# Altium PCB ISS_PCB.PcbDoc (part 3 of 4) (continued)
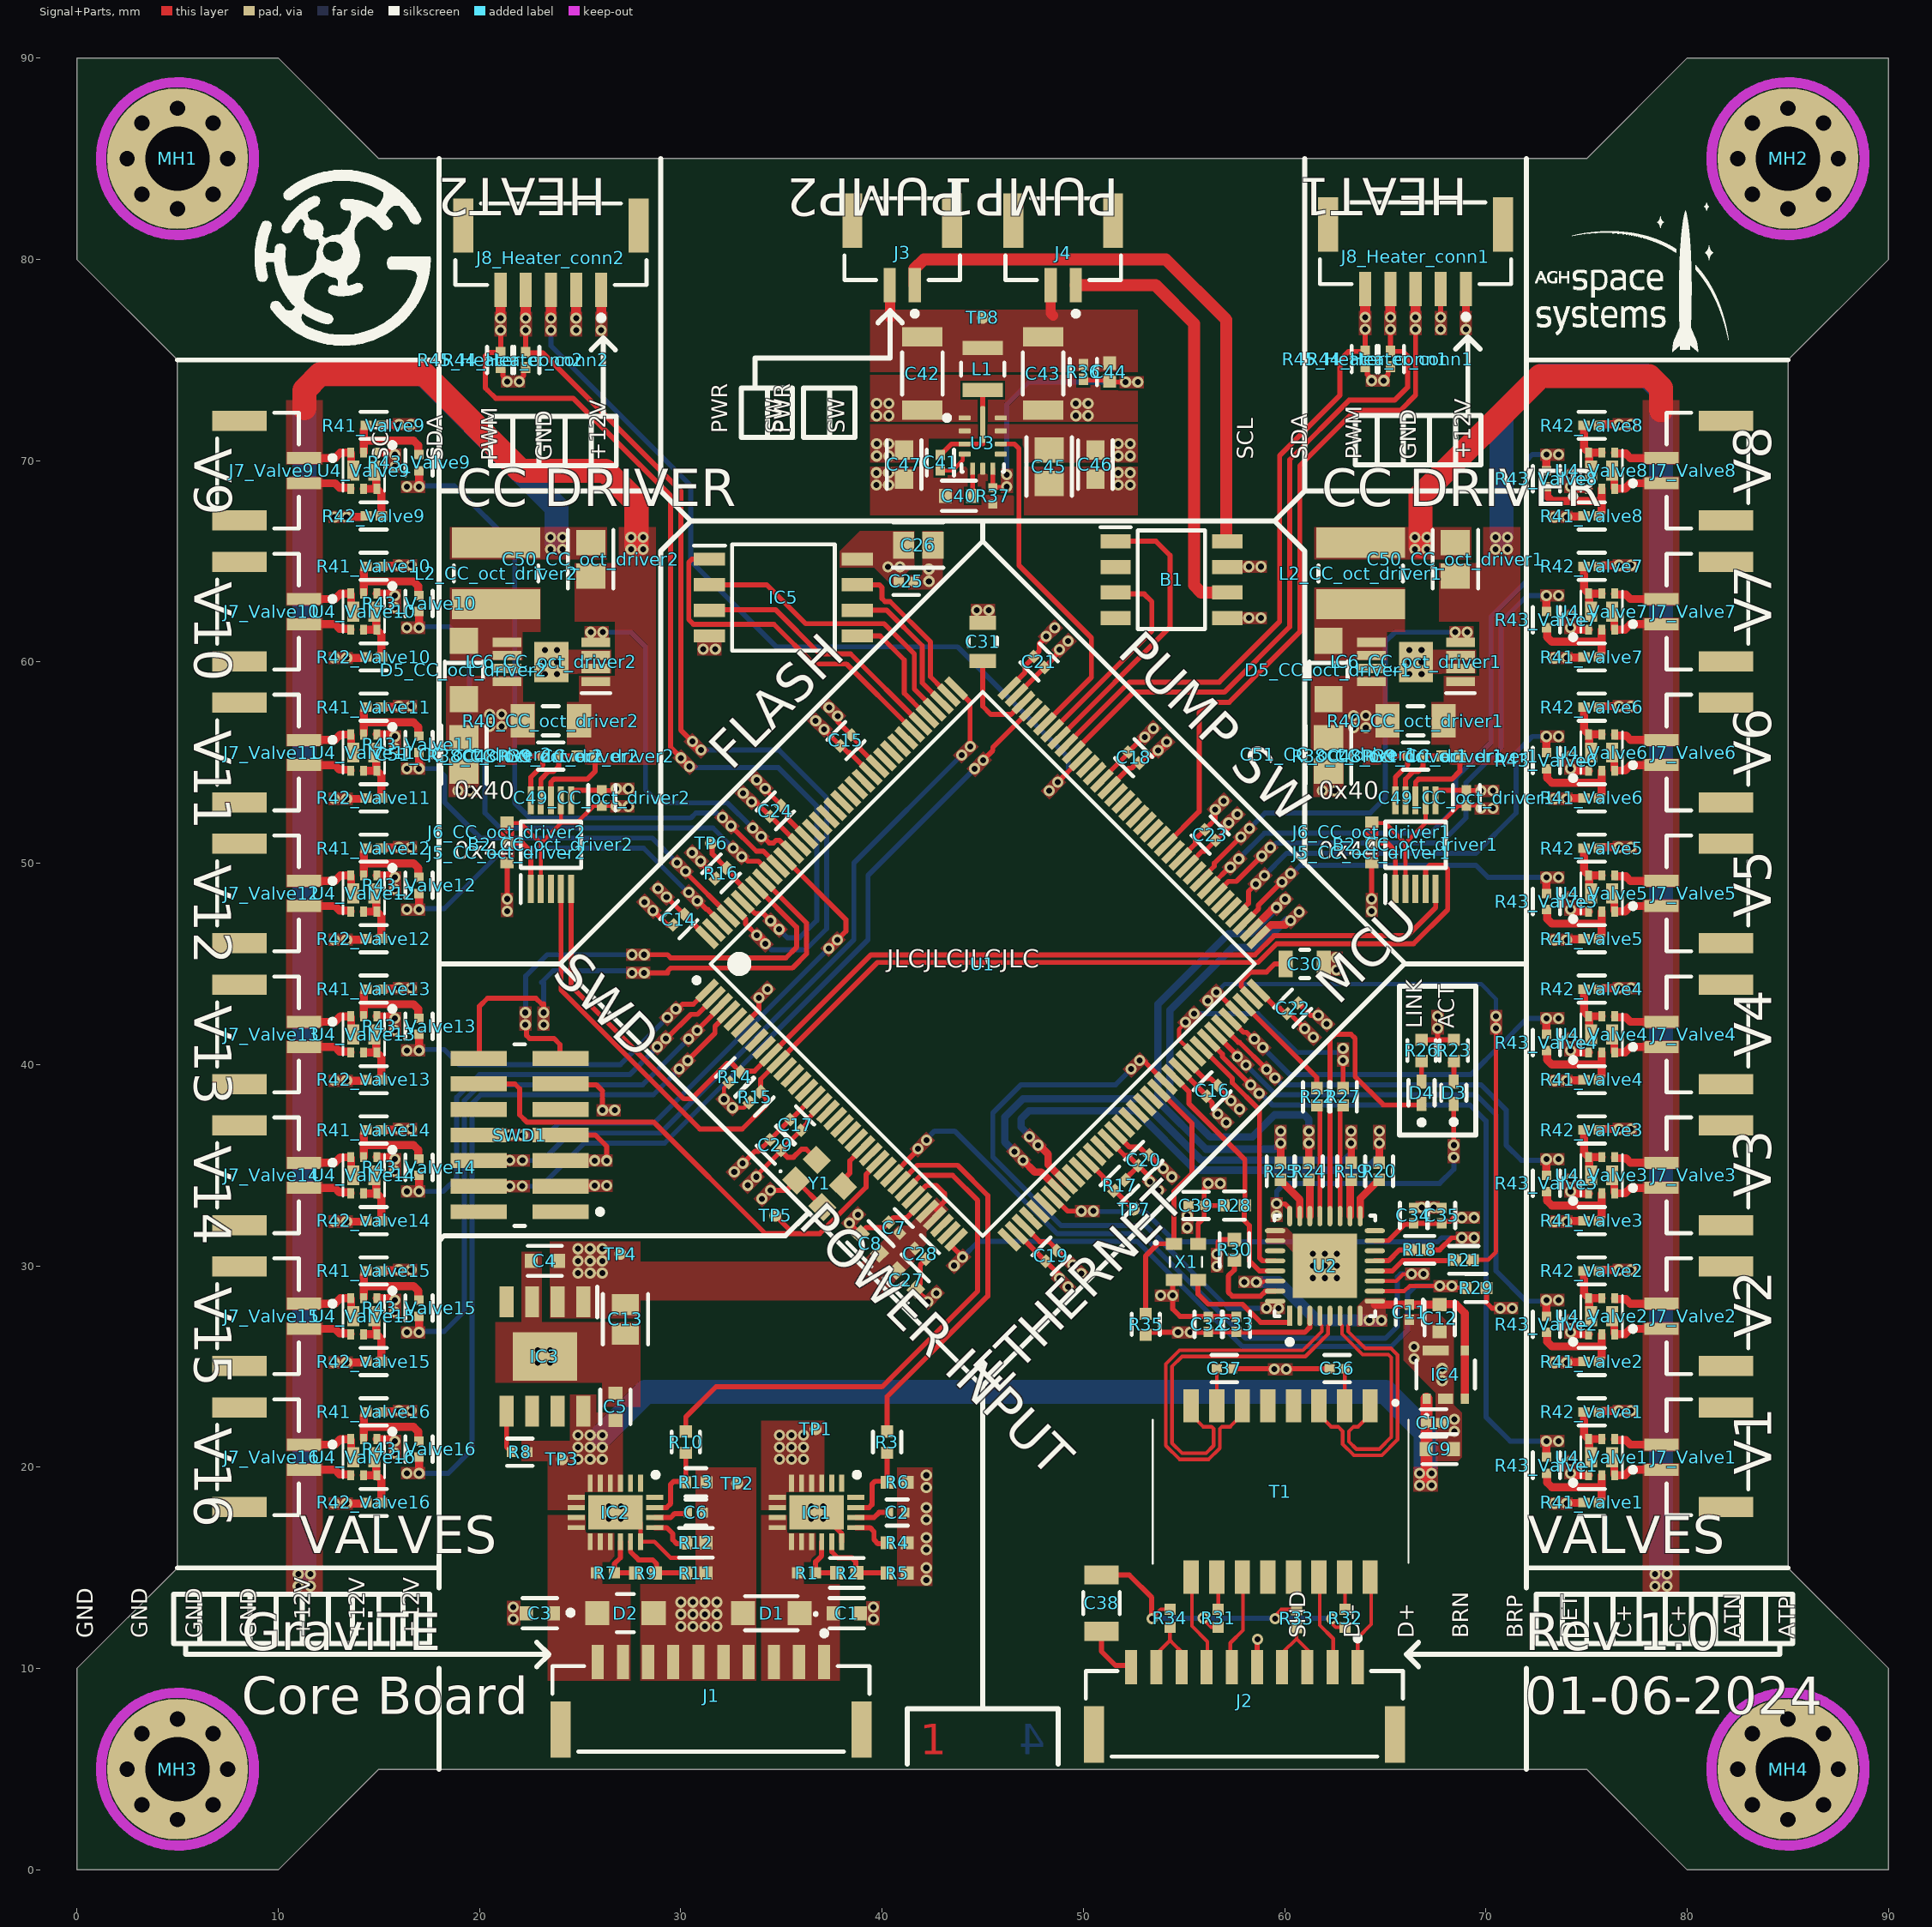
[diagram p0: Signal+Parts view]
## Nets (pads, with @x,y where several pads share a name; then routed paths per layer and width w, separated by ;. In a path a pad name is that pad's centre, name@x,y a point inside that pad or via, vN(x,y) a via of type N, cw(c..) or ccw(c..) an arc to the next point about the centre after c; other vN are vias at no path point) (continued)
ValveDrain10: J7_Valve9.2 J7_Valve10.1 U4_Valve9.4 U4_Valve10.3 U4_Valve10.8 | length 5.8
  Signal+Parts w0.4: J7_Valve10.1@11.275,63.125 12.825,63.125 13.096,63.396 13.596,63.396 U4_Valve10.3@13.6,63.4 ; J7_Valve9.2@11.275,68.875 12.825,68.875 13.05,68.65 13.575,68.65 13.6,68.625 U4_Valve9.4@13.6,68.6 ; U4_Valve10.3@13.625,63.35 13.625,62.6 U4_Valve10.8@13.725,62.5
ValveDrain11: J7_Valve10.2 J7_Valve11.1 U4_Valve10.4 U4_Valve11.3 U4_Valve11.8 | length 5.8
  Signal+Parts w0.4: J7_Valve11.1@11.275,56.125 12.825,56.125 13.096,56.396 13.596,56.396 U4_Valve11.3@13.6,56.4 ; J7_Valve10.2@11.275,61.875 12.825,61.875 13.05,61.65 13.575,61.65 13.6,61.625 U4_Valve10.4@13.6,61.6 ; U4_Valve11.3@13.625,56.35 13.625,55.6 U4_Valve11.8@13.725,55.5
ValveDrain12: J7_Valve11.2 J7_Valve12.1 U4_Valve11.4 U4_Valve12.3 U4_Valve12.8 | length 5.8
  Signal+Parts w0.4: J7_Valve12.1@11.275,49.125 12.825,49.125 13.096,49.396 13.596,49.396 U4_Valve12.3@13.6,49.4 ; J7_Valve11.2@11.275,54.875 12.825,54.875 13.05,54.65 13.575,54.65 13.6,54.625 U4_Valve11.4@13.6,54.6 ; U4_Valve12.3@13.625,49.35 13.625,48.6 U4_Valve12.8@13.725,48.5
ValveDrain13: J7_Valve12.2 J7_Valve13.1 U4_Valve12.4 U4_Valve13.3 U4_Valve13.8 | length 5.8
  Signal+Parts w0.4: J7_Valve13.1@11.275,42.125 12.825,42.125 13.096,42.396 13.596,42.396 U4_Valve13.3@13.6,42.4 ; J7_Valve12.2@11.275,47.875 12.825,47.875 13.05,47.65 13.575,47.65 13.6,47.625 U4_Valve12.4@13.6,47.6 ; U4_Valve13.3@13.625,42.35 13.625,41.6 U4_Valve13.8@13.725,41.5
ValveDrain14: J7_Valve13.2 J7_Valve14.1 U4_Valve13.4 U4_Valve14.3 U4_Valve14.8 | length 5.8
  Signal+Parts w0.4: J7_Valve14.1@11.275,35.125 12.825,35.125 13.096,35.396 13.596,35.396 U4_Valve14.3@13.6,35.4 ; J7_Valve13.2@11.275,40.875 12.825,40.875 13.05,40.65 13.575,40.65 13.6,40.625 U4_Valve13.4@13.6,40.6 ; U4_Valve14.3@13.625,35.35 13.625,34.6 U4_Valve14.8@13.725,34.5
ValveDrain15: J7_Valve14.2 J7_Valve15.1 U4_Valve14.4 U4_Valve15.3 U4_Valve15.8 | length 5.8
  Signal+Parts w0.4: J7_Valve15.1@11.275,28.125 12.825,28.125 13.096,28.396 13.596,28.396 U4_Valve15.3@13.6,28.4 ; J7_Valve14.2@11.275,33.875 12.825,33.875 13.05,33.65 13.575,33.65 13.6,33.625 U4_Valve14.4@13.6,33.6 ; U4_Valve15.3@13.625,28.35 13.625,27.6 U4_Valve15.8@13.725,27.5
ValveDrain16: J7_Valve15.2 J7_Valve16.1 U4_Valve15.4 U4_Valve16.3 U4_Valve16.8 | length 5.8
  Signal+Parts w0.4: J7_Valve16.1@11.275,21.125 12.825,21.125 13.096,21.396 13.596,21.396 U4_Valve16.3@13.6,21.4 ; J7_Valve15.2@11.275,26.875 12.825,26.875 13.05,26.65 13.575,26.65 13.6,26.625 U4_Valve15.4@13.6,26.6 ; U4_Valve16.3@13.625,21.35 13.625,20.6 U4_Valve16.8@13.725,20.5
ValveGate1: R43_Valve1.1 U1.65 | length 33.8
  Signal+Parts w0.25: U1.65@56.225,41.199 56.9,40.525 56.9,40.4 v1@58.2,39.1 ; R43_Valve1.1@73.075,20.527 R43_Valve1.1@73.1,20.502
  Signal+Parts w0.4: R43_Valve1.1@73,20.502 v1(73,21.3)
  Signal w0.25: v1(58.729,38.571) 58.813,38.571 59.384,38 69.2,38 70,37.2 70,22.5 71.2,21.3 72.95,21.3 v1@73,21.25
  other v1: 73.6,21.3 58.305,38.995
ValveGate2: R43_Valve2.1 U1.66 | length 26.6
  Signal+Parts w0.25: U1.66@56.579,41.553 56.579,41.516 57.595,40.5 v1@57.6,40.5 ; R43_Valve2.1@73.075,27.527 R43_Valve2.1@73.1,27.502
  Signal+Parts w0.4: R43_Valve2.1@73,27.502 v1(73,28.3)
  Signal w0.25: v1(58.083,39.976) 59.559,38.5 69.5,38.5 70.5,37.5 70.5,29.75 72,28.25 v1@73,28.25
  other v1: 73.6,28.3 57.659,40.4
ValveGate3: R43_Valve3.1 U1.67 | length 19.8
  Signal+Parts w0.25: U1.67@57.2,41.7 57.2,41.6 57.7,41.1 57.759,41.1 v1(59.093,39.766) ; R43_Valve3.1@73.075,34.527 R43_Valve3.1@73.1,34.502
  Signal+Parts w0.4: R43_Valve3.1@73,34.502 v1(73,35.3)
  Signal w0.25: v1(59.517,39.341) 59.859,39 69.75,39 71,37.75 71,36 71.75,35.25 v1@73,35.25
  other v1: 73.6,35.3
ValveGate4: R43_Valve4.1 U1.68 | length 18.3
  Signal+Parts w0.25: U1.68@57.286,42.26 57.946,41.6 58.1,41.6 58.362,41.338 58.438,41.338 v1@58.5,41.4 ; R43_Valve4.1@73.075,41.527 R43_Valve4.1@73.1,41.502
  Signal+Parts w0.4: R43_Valve4.1@73,41.502 v1(73,42.3)
  Signal w0.25: v1(58.917,40.841) 60.259,39.5 69.25,39.5 70.75,41 72.05,42.3 72.95,42.3 v1@73,42.25
  other v1: 58.493,41.266 73.6,42.3
ValveGate5: R43_Valve5.1 U1.75 | length 16.7
  Signal+Parts w0.25: U1.75@58.063,47.033 U1.75@57.993,47.033 58.7,47.74 58.7,47.923 v1@59.789,49.011 ; R43_Valve5.1@73.075,48.527 R43_Valve5.1@73.1,48.502
  Signal+Parts w0.4: R43_Valve5.1@73,48.502 v1(73,49.3)
  Signal w0.25: v1(60.295,49.495) 60.379,49.495 60.784,49.9 69.5,49.9 70.1,49.3 v1(73,49.3)
  other v1: 59.871,49.071 73.6,49.3
ValveGate6: R43_Valve6.1 U1.76 | length 21.5
  Signal+Parts w0.25: U1.76@57.64,47.386 57.64,47.448 58.2,48.009 58.2,48.6 58.5,48.9 v1@58.6,48.9 ; R43_Valve6.1@73.075,55.527 R43_Valve6.1@73.1,55.502
  Signal+Parts w0.4: R43_Valve6.1@73,55.502 v1(73,56.3)
  Signal w0.25: v1@58.937,49.337 60.1,50.5 69.5,50.5 71.5,52.5 71.5,55.5 72.3,56.3 72.95,56.3 v1@73,56.25
  other v1: 58.571,48.971 58.995,49.395 73.6,56.3
ValveGate7: R43_Valve7.1 U1.79 | length 27.2
  Signal+Parts w0.25: U1.79@56.8,48.7 56.801,48.7 57.201,49.1 57.6,49.1 v1(58.859,50.359) ; R43_Valve7.1@73.075,62.527 R43_Valve7.1@73.1,62.502
  Signal+Parts w0.4: R43_Valve7.1@73,62.502 v1(73,63.3)
  Signal w0.25: v1(59.283,50.783) 59.367,50.783 59.584,51 67.75,51 69,52.25 69,54 70.75,55.75 70.75,62 72.05,63.3 72.95,63.3 v1@73,63.25
  other v1: 73.6,63.3
ValveGate8: R43_Valve8.1 U1.80 | length 33.7
  Signal+Parts w0.25: U1.80@56.4,49 56.462,49 57.262,49.8 v1(57.3,49.8) ; R43_Valve8.1@73.075,69.527 R43_Valve8.1@73.1,69.502
  Signal+Parts w0.4: R43_Valve8.1@73,69.502 v1(73,70.3)
  Signal w0.25: v1(57.724,50.224) 59,51.5 67.25,51.5 68.5,52.75 68.5,54.25 70.25,56 70.25,62.25 72,64 72,70 72.3,70.3 v1(73,70.3)
  other v1: 73.6,70.3
ValveGate9: R43_Valve9.1 U1.134 | length 33.5
  Signal+Parts w0.25: R43_Valve9.1@16.9,69.498 R43_Valve9.1@16.925,69.473 ; v1(32.5,51.85) 33.75,50.6 34.1,50.6 U1.134@34.8,49.9
  Signal+Parts w0.4: v1(17,68.7) R43_Valve9.1@17,69.498
  Signal w0.25: v1@17,68.75 18.75,68.75 21.75,65.75 21.75,53 22.5,52.25 30.5,52.25 30.75,52.5 31.774,52.5 32,52.274 v1(32.076,52.274)
  other v1: 16.4,68.7
ValveGate10: R43_Valve10.1 U1.135 | length 27
  Signal+Parts w0.25: R43_Valve10.1@16.9,62.498 R43_Valve10.1@16.925,62.473 ; v1(33.024,50.326) 33.108,50.326 33.334,50.1 33.859,50.1 34.359,49.6 U1.135@34.4,49.6
  Signal+Parts w0.4: v1(17,61.7) R43_Valve10.1@17,62.498
  Signal w0.25: v1@17,61.75 18.5,61.75 19.25,61 19.5,60.75 19.5,55.75 20.277,54.973 20.277,52.5 21.027,51.75 31.6,51.75 v1(32.6,50.75)
  other v1: 16.4,61.7
ValveGate11: R43_Valve11.1 U1.141 | length 19.4
  Signal+Parts w0.25: R43_Valve11.1@16.9,55.498 R43_Valve11.1@16.925,55.473 ; v1@30.3,49.6 30.3,49.494 32.36,47.433 U1.141@32.36,47.386
  Signal+Parts w0.4: v1(17,54.7) R43_Valve11.1@17,55.498
  Signal w0.25: v1@17,54.75 17.05,54.7 17.9,54.7 18.277,54.323 18.277,53.023 20.05,51.25 28.591,51.25 v1(29.817,50.024)
  other v1: 30.237,49.603 16.4,54.7
ValveGate12: R43_Valve12.1 U1.142 | length 18.4
  Signal+Parts w0.25: R43_Valve12.1@16.9,48.498 R43_Valve12.1@16.925,48.473 ; v1@30.9,48.1 31.3,47.7 31.34,47.7 U1.142@32.007,47.033
  Signal+Parts w0.4: v1(17,47.7) R43_Valve12.1@17,48.498
  Signal w0.25: v1@17,47.75 18.25,47.75 21.25,50.75 28.15,50.75 v1@30.684,48.216
  other v1: 16.4,47.7 30.824,48.126 30.4,48.55
ValveGate13: R43_Valve13.1 U1.1 | length 16.4
  Signal+Parts w0.25: R43_Valve13.1@16.9,41.498 R43_Valve13.1@16.925,41.473 ; v1(29.759,42.759) 29.842,42.759 30.084,43 30.626,43 U1.1@31.3,43.674
  Signal+Parts w0.4: v1(17,40.7) R43_Valve13.1@17,41.498
  Signal w0.25: v1@17,40.75 18.25,40.75 19,40 27,40 v1(29.334,42.334)
  other v1: 16.4,40.7
ValveGate14: R43_Valve14.1 U1.2 | length 21.2
  Signal+Parts w0.25: R43_Valve14.1@16.9,34.498 R43_Valve14.1@16.925,34.473 ; v1@29.3,41.3 30.5,42.5 30.833,42.5 U1.2@31.653,43.321
  Signal+Parts w0.4: v1(17,33.7) R43_Valve14.1@17,34.498
  Signal w0.25: v1@17,33.75 17.05,33.7 18.2,33.7 18.873,34.373 18.873,38.373 20,39.5 27.459,39.5 v1(28.834,40.876)
  other v1: 16.4,33.7 29.259,41.3
ValveGate15: R43_Valve15.1 U1.3 | length 28.1
  Signal+Parts w0.25: R43_Valve15.1@16.9,27.498 R43_Valve15.1@16.925,27.473 ; v1(30.809,41.7) 32.007,42.898 U1.3@32.007,42.967
  Signal+Parts w0.4: v1(17,26.7) R43_Valve15.1@17,27.498
  Signal w0.25: v1@17,26.75 18.25,26.75 19.25,27.75 19.25,38.217 20.033,39 28.109,39 v1(30.384,41.276)
  other v1: 16.4,26.7
ValveGate16: R43_Valve16.1 U1.4 | length 35.4
  Signal+Parts w0.25: R43_Valve16.1@16.9,20.498 R43_Valve16.1@16.925,20.473 ; v1(30.341,40.2) 31.7,41.559 31.7,41.9 32.3,42.5 U1.4@32.3,42.6
  Signal+Parts w0.4: v1(17,19.7) R43_Valve16.1@17,20.498
  Signal w0.25: v1@17,19.75 17.05,19.7 18.45,19.7 19.627,20.877 19.627,38.061 20.066,38.5 28.641,38.5 v1(29.917,39.776)
  other v1: 16.4,19.7
pads on no net: B1.2 B1.4 B2_CC_oct_driver1.3 B2_CC_oct_driver2.3 IC1.1 IC1.2 IC1.20 IC2.1 IC2.2 IC2.20 IC3.4 IC3.6 IC3.7 IC6_CC_oct_driver1.7 IC6_CC_oct_driver2.7 J1.11 J1.12 J2.11 J2.12 J3.3 J3.4 J4.3 J4.4 J7_Valve1.3 J7_Valve1.4 J7_Valve2.3 J7_Valve2.4 J7_Valve3.3 J7_Valve3.4 J7_Valve4.3 J7_Valve4.4 J7_Valve5.3 J7_Valve5.4 J7_Valve6.3 J7_Valve6.4 J7_Valve7.3 J7_Valve7.4 J7_Valve8.3 J7_Valve8.4 J7_Valve9.3 J7_Valve9.4 J7_Valve10.3 J7_Valve10.4 J7_Valve11.3 J7_Valve11.4 J7_Valve12.3 J7_Valve12.4 J7_Valve13.3 J7_Valve13.4 J7_Valve14.3 J7_Valve14.4 J7_Valve15.3 J7_Valve15.4 J7_Valve16.3 J7_Valve16.4 J8_Heater_conn1.6 J8_Heater_conn1.7 J8_Heater_conn2.6 J8_Heater_conn2.7 MH1.1 MH2.1 MH3.1 MH4.1 SWD1.1 SWD1.2 SWD1.9 SWD1.10 T1.4 T1.5 T1.12 T1.13 U1.5 U1.7 U1.8 U1.9 U1.12 U1.13 U1.14 U1.15 U1.18 U1.19 U1.20 U1.21 U1.22 U1.24 U1.26 U1.34 U1.37 U1.40 U1.41 U1.42 U1.46 U1.47 U1.49 U1.50 U1.53 U1.54 U1.55 U1.56 U1.57 U1.77 U1.78 U1.82 U1.85 U1.87 U1.88 U1.89 U1.90 U1.91 U1.92 U1.93 U1.96 U1.97 U1.104 U1.116 U1.117 U1.118 U1.119 U1.122 U1.123 U1.124 U1.125 U1.126 U1.127 U1.128 U1.129 U1.143 U2.2 U2.14 U2.16 U2.27 U3.8

## Polygon pours and split planes (outlines as drawn)
GND on Signal+Parts "GND_L01_P1982" (solid, pour order 1982): 56.333,29.683 56.333,30.883 56.933,30.883 56.933,29.683
GND on Signal+Parts "GND_L01_P1978" (solid, pour order 1978): 59.183,25.167 60.383,25.167 60.383,24.567 59.183,24.567
GND on Signal+Parts "GND_L01_P1976" (solid, pour order 1976): 43.125,28.648 42.276,27.799 41.852,28.223 42.701,29.072
GND on Signal+Parts "GND_L01_P1974" (solid, pour order 1974): 39.225,32.548 38.376,31.699 37.952,32.123 38.801,32.972
GND on Signal+Parts "GND_L01_P1972" (solid, pour order 1972): 34.881,33.761 34.032,32.912 33.608,33.337 34.457,34.185
GND on Signal+Parts "GND_L01_P1970" (solid, pour order 1970): 34.725,43.748 33.876,42.899 33.452,43.323 34.301,44.172
GND on Signal+Parts "GND_L01_P1724" (solid, pour order 1724): 39.4,69.7 52.7,69.7 52.7,67.3 39.4,67.3
HEATER_PWM2 on Signal+Parts "HEATER_PWM2_L01_P1969" (solid, pour order 1969): 49.151,54.022 48.302,53.173 47.878,53.597 48.726,54.446
GND on Signal+Parts "GND_L01_P1967" (solid, pour order 1967): 21.374,12.152 21.374,13.352 22.025,13.352 22.025,12.152
GND on Signal+Parts "GND_L01_P1965" (solid, pour order 1965): 39.876,13.348 39.876,12.148 39.225,12.148 39.225,13.348
GND on Signal+Parts "GND_L01_P1960" (solid, pour order 1960): 68.133,21.483 68.133,22.683 68.733,22.683 68.733,21.483
GND on Signal+Parts "GND_L01_P1958" (solid, pour order 1958): 66.133,25.083 66.133,26.283 66.733,26.283 66.733,25.083
GND on Signal+Parts "GND_L01_P1952" (solid, pour order 1952): 55.467,32.792 55.467,31.592 54.867,31.592 54.867,32.792
+3V3 on Signal+Parts "+3V3_L01_P1749" (solid, pour order 1749): 57.098,33.799 55.898,33.799 55.898,34.399 57.098,34.399
GND on Signal+Parts "GND_L01_P1950" (solid, pour order 1950): 54.742,28.233 53.542,28.233 53.542,28.833 54.742,28.833
GND on Signal+Parts "GND_L01_P1948" (solid, pour order 1948): 59.117,61.883 57.875,61.883 57.875,62.483 59.117,62.483
GND on Signal+Parts "GND_L01_P1946" (solid, pour order 1946): 59.117,64.433 57.8,64.433 57.8,65.033 59.117,65.033
GND on Signal+Parts "GND_L01_P1944" (solid, pour order 1944): 32.017,60.333 30.817,60.333 30.817,61 32.017,61
GND on Signal+Parts "GND_L01_P1942" (solid, pour order 1942): 27.017,37.433 25.817,37.433 25.817,38.033 27.017,38.033
+3V3 on Signal+Parts "+3V3_L01_P1940" (solid, pour order 1940): 26.617,33.683 25.417,33.683 25.417,34.283 26.617,34.283
GND on Signal+Parts "GND_L01_P1938" (solid, pour order 1938): 26.617,34.933 25.417,34.933 25.417,35.533 26.617,35.533
SWDIO on Signal+Parts "SWDIO_L01_P1936" (solid, pour order 1936): 22.5,33.658 21.342,33.658 21.342,34.258 22.5,34.258
SWCLK on Signal+Parts "SWCLK_L01_P1934" (solid, pour order 1934): 22.5,34.933 21.342,34.933 21.342,35.533 22.5,35.533
SWO on Signal+Parts "SWO_L01_P1932" (solid, pour order 1932): 22.5,36.183 21.342,36.183 21.342,36.783 22.5,36.783
+3V3 on Signal+Parts "+3V3_L01_P1931" (solid, pour order 1931): 32.146,38.704 32.995,37.855 32.57,37.431 31.722,38.279
SWO on Signal+Parts "SWO_L01_P1930" (solid, pour order 1930): 38.201,46.197 37.352,45.348 36.928,45.772 37.776,46.621
SWDIO on Signal+Parts "SWDIO_L01_P1925" (solid, pour order 1925): 45.466,55.133 44.618,54.284 44.194,54.708 45.042,55.557
SWCLK on Signal+Parts "SWCLK_L01_P1927" (solid, pour order 1927): 44.801,55.797 43.952,54.948 43.528,55.372 44.376,56.221
+3V3 on Signal+Parts "+3V3_L01_P1916" (solid, pour order 1916): 41.6,66.5 41.6,64.8 41.1,64.3 41.1,63.7 40.6,63.7 39.6,64.7 37.9,64.7 37.9,65.5 38.9,66.5
+3V3 on Signal+Parts "+3V3_L01_P1914" (solid, pour order 1914): 39.993,65.027 41.193,65.027 41.193,64.427 39.993,64.427
GND on Signal+Parts "GND_L01_P1913" (solid, pour order 1913): 42,66.5 43,66.5 43,64 42.6,63.6 41.3,63.6 41.3,64.3 42,64.3
GND on Signal+Parts "GND_L01_P1911" (solid, pour order 1911): 42.627,64.907 42.627,63.707 42.027,63.707 42.027,64.907
GND on Signal+Parts "GND_L01_P1909" (solid, pour order 1909): 49.33,73.131 50.53,73.131 50.53,71.932 49.33,71.932
GND on Signal+Parts "GND_L01_P1907" (solid, pour order 1907): 39.43,73.131 40.63,73.131 40.63,71.932 39.43,71.932
GND on Signal+Parts "GND_L01_P1905" (solid, pour order 1905): 39.43,69.7 40.63,69.7 40.63,68.532 39.43,68.532
GND on Signal+Parts "GND_L01_P1903" (solid, pour order 1903): 51.43,69.7 52.63,69.7 52.63,68.532 51.43,68.532
+12 on Signal+Parts "+12_L01_P1901" (solid, pour order 1901): 51.43,71.131 52.63,71.131 52.63,69.932 51.43,69.932
+12 on Signal+Parts "+12_L01_P1899" (solid, pour order 1899): 39.43,71.131 40.63,71.131 40.63,69.932 39.43,69.932
GND on Signal+Parts "GND_L01_P1897" (solid, pour order 1897): 62.877,45.607 62.877,44.407 62.277,44.407 62.277,45.607
GND on Signal+Parts "GND_L01_P1895" (solid, pour order 1895): 45.607,62.273 44.407,62.273 44.407,62.873 45.607,62.873
ValveGate6 on Signal+Parts "VALVEGATE6_L01_P1588" (solid, pour order 1588): 59.419,49.395 58.571,48.546 58.146,48.971 58.995,49.819
RMII_TXD0 on Signal+Parts "RMII_TXD0_L01_P1760" (solid, pour order 1760): 61.148,47.573 60.299,46.724 59.875,47.149 60.724,47.997
ST_LINK_TX on Signal+Parts "ST_LINK_TX_L01_P1887" (solid, pour order 1887): 27.283,45.758 28.483,45.758 28.483,45.158 27.283,45.158
ST_LINK_RX on Signal+Parts "ST_LINK_RX_L01_P1889" (solid, pour order 1889): 27.284,44.859 28.484,44.859 28.484,44.259 27.284,44.259
ST_LINK_RX on Signal+Parts "ST_LINK_RX_L01_P1893" (solid, pour order 1893): 22.882,41.684 22.882,42.884 23.482,42.884 23.482,41.684
ST_LINK_TX on Signal+Parts "ST_LINK_TX_L01_P1891" (solid, pour order 1891): 21.983,41.683 21.983,42.883 22.583,42.883 22.583,41.683
HEAT_I2C_SDA2 on Signal+Parts "HEAT_I2C_SDA2_L01_P1879" (solid, pour order 1879): 30.575,56.472 31.424,55.624 31,55.2 30.151,56.048
HEAT_I2C_SCL2 on Signal+Parts "HEAT_I2C_SCL2_L01_P1885" (solid, pour order 1885): 34.888,46.293 34.04,47.142 34.464,47.566 35.313,46.718
HEAT_I2C_SDA2 on Signal+Parts "HEAT_I2C_SDA2_L01_P1883" (solid, pour order 1883): 34.2,45.551 33.351,46.4 33.776,46.824 34.624,45.976
HEAT_I2C_SCL2 on Signal+Parts "HEAT_I2C_SCL2_L01_P1881" (solid, pour order 1881): 30.012,55.657 30.86,54.808 30.436,54.384 29.587,55.232
GND on Signal+Parts "GND_L01_P1878" (solid, pour order 1878): 30.991,49.676 30.143,50.524 30.567,50.949 31.416,50.1
ValveGate11 on Signal+Parts "VALVEGATE11_L01_P1573" (solid, pour order 1573): 30.241,49.176 29.393,50.024 29.817,50.449 30.666,49.6
+3V3 on Signal+Parts "+3V3_L01_P1875" (solid, pour order 1875): 61.003,42.201 61.852,41.352 61.428,40.928 60.579,41.776
GND on Signal+Parts "GND_L01_P1873" (solid, pour order 1873): 61.667,42.866 62.516,42.018 62.092,41.594 61.243,42.442
GND on Signal+Parts "GND_L01_P1872" (solid, pour order 1872): 65.9,27.6 67.7,27.6 68.4,26.9 68.4,23.1 68.8,22.7 68.8,20.5 68.6,20.3 67.5,20.3 67.5,23.7 65.9,25.3
GND on Signal+Parts "GND_L01_P1869" (solid, pour order 1869): 68.124,25.201 68.124,24.001 67.524,24.001 67.524,25.201
+5 on Signal+Parts "+5_L01_P1867" (solid, pour order 1867): 66.399,19.999 67.599,19.999 67.599,18.8 66.399,18.8
MDIO on Signal+Parts "MDIO_L01_P1863" (solid, pour order 1863): 43.158,30.016 44.006,30.864 44.431,30.44 43.582,29.592
MDC on Signal+Parts "MDC_L01_P1861" (solid, pour order 1861): 41.358,35.816 42.206,36.664 42.631,36.24 41.782,35.392
+3V3 on Signal+Parts "+3V3_L01_P1857" (solid, pour order 1857): 49.897,29.199 49.048,30.048 49.472,30.472 50.321,29.624
GND on Signal+Parts "GND_L01_P1855" (solid, pour order 1855): 49.233,28.534 48.384,29.382 48.808,29.806 49.657,28.958
RMII_CRS_DV on Signal+Parts "RMII_CRS_DV_L01_P1853" (solid, pour order 1853): 49.599,33.024 50.799,33.024 50.799,32.424 49.599,32.424
+3V3 on Signal+Parts "+3V3_L01_P1851" (solid, pour order 1851): 54.397,33.999 53.548,34.848 53.972,35.272 54.821,34.424
GND on Signal+Parts "GND_L01_P1849" (solid, pour order 1849): 53.733,33.334 52.884,34.182 53.308,34.606 54.157,33.758
+3V3 on Signal+Parts "+3V3_L01_P1847" (solid, pour order 1847): 32.899,34.003 33.748,34.852 34.172,34.428 33.324,33.579
GND on Signal+Parts "GND_L01_P1845" (solid, pour order 1845): 32.234,34.667 33.082,35.516 33.506,35.092 32.658,34.243
GND on Signal+Parts "GND_L01_P1843" (solid, pour order 1843): 28.203,48.501 29.052,47.652 28.628,47.228 27.779,48.076
+3V3 on Signal+Parts "+3V3_L01_P1841" (solid, pour order 1841): 28.867,49.166 29.716,48.318 29.292,47.894 28.443,48.742
+3V3 on Signal+Parts "+3V3_L01_P1839" (solid, pour order 1839): 33.103,53.901 33.952,53.052 33.528,52.628 32.679,53.476
GND on Signal+Parts "GND_L01_P1837" (solid, pour order 1837): 33.767,54.566 34.616,53.718 34.192,53.294 33.343,54.142
+3V3 on Signal+Parts "+3V3_L01_P1835" (solid, pour order 1835): 36.703,57.501 37.552,56.652 37.128,56.228 36.279,57.076
GND on Signal+Parts "GND_L01_P1833" (solid, pour order 1833): 37.367,58.166 38.216,57.318 37.792,56.894 36.943,57.742
+3V3 on Signal+Parts "+3V3_L01_P1831" (solid, pour order 1831): 49.001,61.697 48.152,60.848 47.728,61.272 48.576,62.121
GND on Signal+Parts "GND_L01_P1829" (solid, pour order 1829): 49.666,61.033 48.818,60.184 48.394,60.608 49.242,61.457
+3V3 on Signal+Parts "+3V3_L01_P1827" (solid, pour order 1827): 53.901,56.697 53.052,55.848 52.628,56.272 53.476,57.121
GND on Signal+Parts "GND_L01_P1825" (solid, pour order 1825): 54.566,56.033 53.718,55.184 53.294,55.608 54.142,56.457
+3V3 on Signal+Parts "+3V3_L01_P1823" (solid, pour order 1823): 57.401,53.097 56.552,52.248 56.128,52.672 56.976,53.521
GND on Signal+Parts "GND_L01_P1821" (solid, pour order 1821): 58.066,52.433 57.218,51.584 56.794,52.008 57.642,52.857
GND on Signal+Parts "GND_L01_P1811" (solid, pour order 1811): 56.671,37.971 57.52,37.123 57.095,36.698 56.247,37.547
+3V3 on Signal+Parts "+3V3_L01_P1809" (solid, pour order 1809): 57.335,38.637 58.184,37.789 57.759,37.364 56.911,38.213
PHY_REF_CLK on Signal+Parts "PHY_REF_CLK_L01_P1802" (solid, pour order 1802): 55.924,42.528 55.076,41.679 54.652,42.103 55.5,42.952
NetD3_1 on Signal+Parts "NETD3_1_L01_P1751" (solid, pour order 1751): 59.901,33.398 59.901,32.198 59.301,32.198 59.301,33.398
MDIO on Signal+Parts "MDIO_L01_P1799" (solid, pour order 1799): 68.599,28.701 67.399,28.701 67.399,29.301 68.599,29.301
MDC on Signal+Parts "MDC_L01_P1797" (solid, pour order 1797): 67.199,29.301 65.999,29.301 65.999,29.901 67.199,29.901
+3V3 on Signal+Parts "+3V3_L01_P1795" (solid, pour order 1795): 22.274,73.626 21.074,73.626 21.074,74.226 22.274,74.226
+3V3 on Signal+Parts "+3V3_L01_P1793" (solid, pour order 1793): 65.224,73.676 64.024,73.676 64.024,74.276 65.224,74.276
GND on Signal+Parts "GND_L01_P1791" (solid, pour order 1791): 61.099,30.899 62.9,30.899 62.9,29.075 61.099,29.075
GND on Signal+Parts "GND_L01_P1790" (solid, pour order 1790): 60,31.1 60.5,30.6 60.5,31.5 60.1,31.9 59.1,31.9 59.1,31.1
1.2V_ETH on Signal+Parts "1.2V_ETH_L01_P1785" (solid, pour order 1785): 63.902,27.601 65.102,27.601 65.102,27.001 63.902,27.001
PHY_SIGDET on Signal+Parts "PHY_SIGDET_L01_P1783" (solid, pour order 1783): 51.952,39.777 52.801,40.626 53.225,40.201 52.376,39.353
PHY_SIGDET on Signal+Parts "PHY_SIGDET_L01_P1781" (solid, pour order 1781): 59.998,27.599 58.798,27.599 58.798,28.199 59.998,28.199
+3V3 on Signal+Parts "+3V3_L01_P1779" (solid, pour order 1779): 41.3,32 40.8,32 39,30.2 27.5,30.2 27.5,28.3 39.7,28.3 41.6,30.2 41.6,30.5 42.2,31.1 42.2,31.7 43.3,32.8 42.7,33.4
1.2V_ETH on Signal+Parts "1.2V_ETH_L01_P1778" (solid, pour order 1778): 63.6,28 64,28.4 65,28.4 65,27 63.6,27
+3V3 on Signal+Parts "+3V3_L01_P1776" (solid, pour order 1776): 54.402,27.001 55.602,27.001 55.602,26.401 54.402,26.401
+3V3 on Signal+Parts "+3V3_L01_P1774" (solid, pour order 1774): 70.402,28.201 71.602,28.201 71.602,27.601 70.402,27.601
+3V3 on Signal+Parts "+3V3_L01_P1772" (solid, pour order 1772): 68.502,32.701 69.702,32.701 69.702,32.101 68.502,32.101
GND on Signal+Parts "GND_L01_P1770" (solid, pour order 1770): 66.502,33.201 67.702,33.201 67.702,32.601 66.502,32.601
RMII_CRS_DV on Signal+Parts "RMII_CRS_DV_L01_P1766" (solid, pour order 1766): 68.502,31.701 69.702,31.701 69.702,31.101 68.502,31.101
RMII_RX_D0 on Signal+Parts "RMII_RX_D0_L01_P1764" (solid, pour order 1764): 46.577,36.098 47.426,35.249 47.001,34.825 46.153,35.674
RMII_RX_D1 on Signal+Parts "RMII_RX_D1_L01_P1762" (solid, pour order 1762): 47.327,36.848 48.176,35.999 47.751,35.575 46.903,36.424
RMII_RX_ER on Signal+Parts "RMII_RX_ER_L01_P1754" (solid, pour order 1754): 55.752,43.177 56.601,44.026 57.025,43.601 56.176,42.753
RMII_TXD1 on Signal+Parts "RMII_TXD1_L01_P1756" (solid, pour order 1756): 60.449,48.224 59.6,47.375 59.176,47.799 60.024,48.648
RMII_RX_ER on Signal+Parts "RMII_RX_ER_L01_P1752" (solid, pour order 1752): 70.199,41.502 70.199,42.702 70.799,42.702 70.799,41.502
1.2V_ETH on Signal+Parts "1.2V_ETH_L01_P1747" (solid, pour order 1747): 58.898,28.899 57.698,28.899 57.698,29.499 58.898,29.499
NetD3_1 on Signal+Parts "NETD3_1_L01_P1743" (solid, pour order 1743): 68.099,35.102 68.099,36.302 68.699,36.302 68.699,35.102
+3V3 on Signal+Parts "+3V3_L01_P1741" (solid, pour order 1741): 67.299,41.502 67.299,42.702 67.899,42.702 67.899,41.502
PHY_REF_CLK on Signal+Parts "PHY_REF_CLK_L01_P1739" (solid, pour order 1739): 62.599,39.902 62.599,41.102 63.199,41.102 63.199,39.902
RMII_RX_D1 on Signal+Parts "RMII_RX_D1_L01_P1737" (solid, pour order 1737): 65.001,36.998 65.001,35.798 64.401,35.798 64.401,36.998
RMII_RX_D0 on Signal+Parts "RMII_RX_D0_L01_P1735" (solid, pour order 1735): 63.601,36.998 63.601,35.798 63.001,35.798 63.001,36.998
RMII_TXD0 on Signal+Parts "RMII_TXD0_L01_P1733" (solid, pour order 1733): 61.501,36.998 61.501,35.798 60.901,35.798 60.901,36.998
RMII_TXD1 on Signal+Parts "RMII_TXD1_L01_P1731" (solid, pour order 1731): 60.101,36.998 60.101,35.798 59.501,35.798 59.501,36.998
HEAT_I2C_SCL2 on Signal+Parts "HEAT_I2C_SCL2_L01_P1665" (solid, pour order 1665): 20.75,76.175 20.75,77.375 21.35,77.375 21.35,76.175
HEAT_I2C_SDA2 on Signal+Parts "HEAT_I2C_SDA2_L01_P1661" (solid, pour order 1661): 22,76.175 22,77.375 22.6,77.375 22.6,76.175
HEATER_PWM2 on Signal+Parts "HEATER_PWM2_L01_P1657" (solid, pour order 1657): 23.25,76.175 23.25,77.375 23.85,77.375 23.85,76.175
+12 on Signal+Parts "+12_L01_P1653" (solid, pour order 1653): 25.75,76.175 25.75,77.375 26.35,77.375 26.35,76.175
GND on Signal+Parts "GND_L01_P1649" (solid, pour order 1649): 24.5,76.175 24.5,77.375 25.1,77.375 25.1,76.175
NetC44_1 on Signal+Parts "NETC44_1_L01_P1726" (solid, pour order 1726): 53.001,73.599 51.801,73.599 51.801,74.199 53.001,74.199
NetC44_1 on Signal+Parts "NETC44_1_L01_P1722" (solid, pour order 1722): 45.899,68.399 45.899,69.599 46.499,69.599 46.499,68.399
Pump_VDD on Signal+Parts "NetC44_1" (solid, pour order 1713): 39.4,74.4 39.4,77.5 52.7,77.5 52.7,74.4
+12 on Signal+Parts "+12_L01_P1714" (solid, pour order 1714): 39.4,71.8 39.4,69.9 42.3,69.9 42.3,71.1 44.8,71.1 44.8,71.8
+12 on Signal+Parts "+12_L01_P1715" (solid, pour order 1715): 45.2,71.1 47,71.1 47,69.9 52.7,69.9 52.7,71.8 45.2,71.8
GND on Signal+Parts "GND_L01_P1728" (solid, pour order 1728): 39.4,74.3 52.7,74.3 52.7,71.9 39.4,71.9
+12 on Signal+Parts "+12_L01_P1721" (solid, pour order 1721): 63.13,57.631 64.33,57.631 64.33,56.432 63.13,56.432
Driver_Out+1 on Signal+Parts "DRIVER_OUT+1_L01_P1676" (solid, pour order 1676): 70.175,66.499 71.375,66.499 71.375,65.3 70.175,65.3
Driver_Out+1 on Signal+Parts "DRIVER_OUT+1_L01_P1597" (solid, pour order 1597): 69.877,64.9 69.877,66.7 71.7,66.7 71.7,64.9 71.7,54.9 68.2,54.9 68.2,55.9 67.3,55.9 67.3,58 67.9,58 67.9,59.3 69.677,59.3 69.677,62 67.677,62 67.677,64.9
Driver_Out-1 on Signal+Parts "DRIVER_OUT-1_L01_P1672" (solid, pour order 1672): 66.175,66.499 67.375,66.499 67.375,65.3 66.175,65.3
VALVE_PWR_EN1 on Signal+Parts "VALVE_PWR_EN1_L01_P1623" (solid, pour order 1623): 69.374,61.176 68.174,61.176 68.174,61.776 69.374,61.776
GND on Signal+Parts "GND_L01_P1619" (solid, pour order 1619): 61.577,53.9 62.777,53.9 62.777,53.3 61.577,53.3
GND on Signal+Parts "GND_L01_P1635" (solid, pour order 1635): 69.449,53.026 70.649,53.026 70.649,52.426 69.449,52.426
+3V3 on Signal+Parts "+3V3_L01_P1631" (solid, pour order 1631): 69.449,53.901 70.649,53.901 70.649,53.301 69.449,53.301
+3V3 on Signal+Parts "+3V3_L01_P1627" (solid, pour order 1627): 64.624,48.526 64.624,47.326 64.024,47.326 64.024,48.526
GND on Signal+Parts "GND_L01_P1617" (solid, pour order 1617): 69.5,60.6 69.5,59.4 67.3,59.4 67.3,60.6
GND on Signal+Parts "GND_L01_P1613" (solid, pour order 1613): 65.9,60.9 67.1,60.9 67.1,60.3 65.9,60.3
GND on Signal+Parts "GND_L01_P1609" (solid, pour order 1609): 65.9,60.3 67.1,60.3 67.1,59.7 65.9,59.7
GND on Signal+Parts "GND_L01_P1605" (solid, pour order 1605): 65.9,59.7 67.1,59.7 67.1,59.1 65.9,59.1
GND on Signal+Parts "GND_L01_P1603" (solid, pour order 1603): 62.927,53.3 62.927,55.2 61.427,55.2 61.427,53.3
+12 on Signal+Parts "+12_L01_P1601" (solid, pour order 1601): 63.877,54.9 63.877,55.6 61.3,55.6 61.3,59.3 63.4,59.3 65.1,59.3 65.1,58 65.7,58 65.7,55.9 64.8,55.9 64.8,54.9
NetD5_CC_oct_driver1_2 on Signal+Parts "NETD5_CC_OCT_DRIVER1_2_L01_P1599" (solid, pour order 1599): 61.477,63.7 61.477,60.1 65.077,60.1 65.077,61.5 65.977,61.5 65.977,63.7
Driver_Out-1 on Signal+Parts "DRIVER_OUT-1_L01_P1595" (solid, pour order 1595): 61.477,66.7 69.277,66.7 69.277,65.1 61.477,65.1
+12 on Signal+Parts "+12_L01_P1720" (solid, pour order 1720): 20.2,57.699 21.4,57.699 21.4,56.5 20.2,56.5
VALVE_PWR_EN2 on Signal+Parts "VALVE_PWR_EN2_L01_P1703" (solid, pour order 1703): 33.574,52.172 34.423,51.324 33.998,50.9 33.15,51.748
ValveGate7 on Signal+Parts "VALVEGATE7_L01_P1590" (solid, pour order 1590): 59.707,50.783 58.859,49.934 58.434,50.359 59.283,51.207